# Altium PCB Bran_Main_Assay_PCB_v2_20170728.pcbdoc (part 3 of 4) (continued)
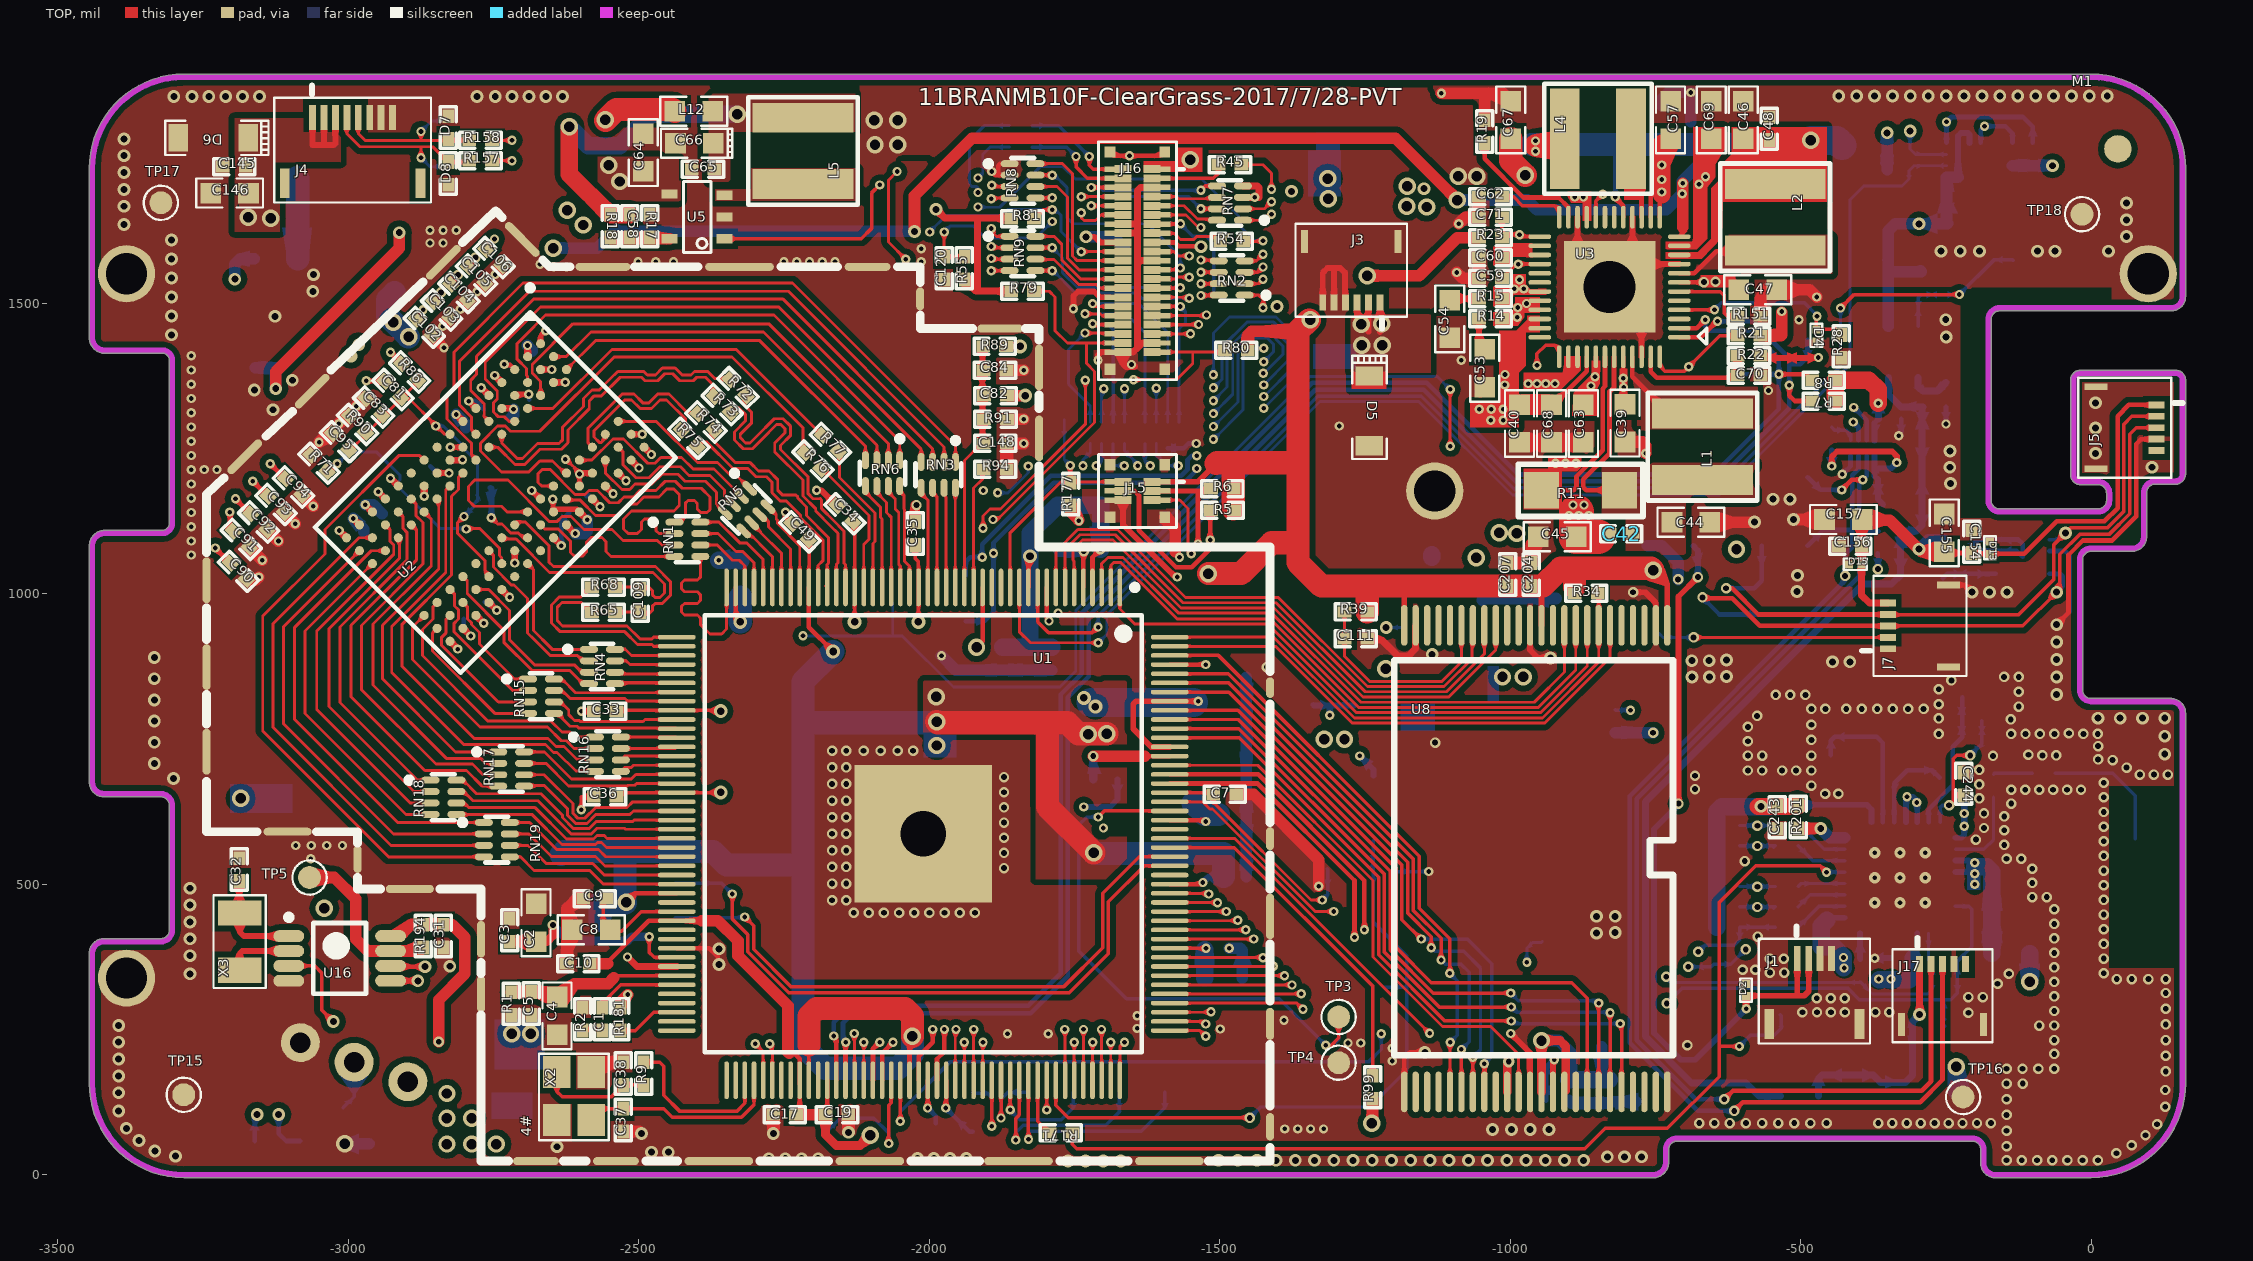
[diagram p0: TOP view]
## Nets (pads, with @x,y where several pads share a name; then routed paths per layer and width w, separated by ;. In a path a pad name is that pad's centre, name@x,y a point inside that pad or via, vN(x,y) a via of type N, cw(c..) or ccw(c..) an arc to the next point about the centre after c; other vN are vias at no path point) (continued)
N17556983: R194.1 TP5.1 U16.7 | length 290.8
  TOP w20: TP5.1@-3066.93,511.81 -3024.28,511.81 -2987.46,475 -2987.46,406 -2966.72,385.25 U16.7@-2927.42,385.25 -2877.53,385.25 R194.1@-2871.46,391.32
N17556994: C32.2 U16.1 X3.2 | length 175.5
  TOP w10: C32.2@-3188.02,505.77 -3188.02,451.67 X3.2@-3187.02,450.67 -3187.02,418.1 -3179.76,410.84 U16.1@-3102.61,410.84
N17557015: U16.2 X3.1 | length 115
  TOP w10: X3.1@-3187.02,352.24 -3187.02,381.1 -3182.87,385.25 U16.2@-3102.61,385.25
N17569799: C237.1 U19.4 | length 73.1
  BOTTOM w12: U19.4@-297.87,1372.32 -297.87,1357.41 -289.46,1349 -264.78,1349 C237.1@-249.46,1364.32
N17725418: R201.2 U7.24 | length 86.6
  TOP w20: R201.2@-504.46,596.31 -465.78,596.31 v3(-465.46,596)
  BOTTOM w20: v3(-465.46,596) -449.67,580.2 U7.24@-424.49,580.2
N17726905: C245.2 R155.2 R202.2 U7.31 | length 239.1
  BOTTOM w8: U7.31@-279.8,606.78 -279.8,628.93 -238.46,670.27 -238.46,736.69 -222.15,753 R155.2@-222.15,822
N17728099: R203.2 U7.16 | length 44.3
  BOTTOM w10: U7.16@-397.91,415.83 -397.91,372.13 R203.2@-397.46,371.69
N17734642: C248.2 C249.2 D19.1 J17.1 R198.1 | length 401
  TOP w12: v3(-295.46,276) -295.28,276.19 J17.1@-295.28,363.19
  BOTTOM w12: R198.1@-469.44,135.99 -469.44,165.52 -463.53,171.44 C249.2@-411.46,171.44 -374.7,171.44 C248.2@-363.94,160.68 -362.26,158.99 -319.94,158.99 -307.93,171.01 -307.93,263.54 v3(-295.46,276)
N17747477: R209.1 U20.5 | length 48.6
  BOTTOM w6: R209.1@-446.26,1286.89 R209.1@-446.46,1286.68 -441.78,1282 -421.46,1282 -413.46,1274 -414.13,1273.33 U20.5@-414.13,1264.19
N17800108: C251.2 L7.1 L19.1 U9.6
N17800564: D12.2 L7.2 U9.4
N17849143: C238.1 R213.2 U21.5 | length 93.8
  BOTTOM w8: R213.2@-255,1027 -247.53,1034.47 U21.5@-164.26,1034.47
N167142980: C53.1 R14.1 | length 56.5
  TOP w10: R14.1@-1053.7,1473.31 -1053.7,1430.49 C53.1@-1044.02,1420.81
NALE: U1.7 U8.17 | length 985.4
  TOP w5: U1.7@-1766.34,1011.13 -1766.34,1075.98 -1740.58,1101.74 -1680.05,1101.74 -1563.13,984.83 -1402.99,984.83 -1249.66,831.5 -1109.62,831.5 -1044.61,896.51 U8.17@-1044.61,945.83
NCE0-N: U1.2 U8.9 | length 1047
  TOP w5: U1.2@-1687.6,1011.13 -1687.6,1048.83 -1682.6,1053.83 -1670.32,1053.83 -1573.32,956.83 -1413.17,956.83 -1260.85,804.5 -951.77,804.5 -887.13,869.15 U8.9@-887.13,945.83
NCE1-N: U1.3 U8.10 | length 1047
  TOP w5: U1.3@-1703.34,1011.13 -1703.34,1051.83 -1692.34,1062.83 -1666.59,1062.83 -1570.59,966.83 -1410.45,966.83 -1257.12,813.5 -958.62,813.5 -906.81,865.31 U8.10@-906.81,945.83
NCLE: U1.6 U8.16 | length 988.6
  TOP w5: U1.6@-1750.59,1011.13 -1750.59,1055.94 -1752.65,1058 -1752.65,1076.6 -1736.5,1092.74 -1683.78,1092.74 -1566.86,975.83 -1406.72,975.83 -1253.39,822.5 -1105.89,822.5 -1024.92,903.47 U8.16@-1024.92,945.83
ND0: U1.174 U8.29 | length 1010.8
  TOP w6: U1.174@-1586.22,894.01 -1502.19,894.01 -1156.52,548.33 -1156.52,458.89 -1104.02,406.39 v1(-1104.02,346.83) ; U8.29@-1103.66,142.68 v1@-1103.66,228
  BOTTOM w6: v1(-1104.02,346.83) -1091.02,333.83 -1091.02,240.45 v1(-1103.46,228)
ND1: U1.172 U8.30 | length 1013.5
  TOP w6: U1.172@-1586.22,862.51 -1485.69,862.51 -1166.52,543.33 -1166.52,454.74 -1119.02,407.24 v1(-1119.02,369.83) ; U8.30@-1083.98,142.68 v1@-1083.98,215.8 ; v1(-1084.02,215.83) v1@-1083.98,215.8
  BOTTOM w6: v1(-1119.02,369.83) -1112.02,362.83 -1085.02,362.83 -1070.86,348.67 -1070.86,228.99 v1(-1084.02,215.83)
ND2: U1.171 U8.31 | length 1019.8
  TOP w6: U1.171@-1586.22,846.76 -1484.94,846.76 -1176.52,538.33 -1176.52,450.6 -1136.02,410.1 v1(-1136.02,390.83) ; U8.31@-1064.29,142.68 v1(-1064.29,202.11)
  BOTTOM w6: v1(-1136.02,390.83) -1130.02,384.83 -1080.02,384.83 -1051.18,355.99 -1051.18,215.23 v1(-1064.29,202.11)
ND3: U1.170 U8.32 | length 1031.6
  TOP w6: U1.170@-1586.22,831.01 -1484.19,831.01 -1186.52,533.33 -1186.52,439.33 v1(-1153.02,405.83) ; U8.32@-1046.02,144.09 U8.32@-1044.61,142.68 v1(-1044.61,191.43)
  BOTTOM w6: v1(-1153.02,405.83) -1074.02,405.83 -1031.49,363.3 -1031.49,204.55 v1(-1044.61,191.43)
ND4: U1.168 U8.41 | length 1165.1
  TOP w6: U1.168@-1586.22,799.52 -1468.7,799.52 -1196.52,527.33 -1196.52,391.2 -1136.15,330.83 -894.28,330.83 -867.44,304 U8.41@-867.44,142.68
ND5: U1.167 U8.42 | length 1172.8
  TOP w6: U1.167@-1586.22,783.77 -1467.95,783.77 -1206.52,522.33 -1206.52,387.05 -1132.3,312.83 v1(-999.02,312.83) ; U8.42@-847.76,142.68 v1(-847.76,295.57)
  BOTTOM w6: v1(-999.02,312.83) -985.86,299.67 -851.86,299.67 v1(-847.76,295.57)
ND6: U1.166 U8.43 | length 1177.4
  TOP w6: U1.166@-1586.22,768.02 -1467.2,768.02 -1216.52,517.33 -1216.52,382.91 -1122.44,288.83 v1(-998.02,288.83) ; U8.43@-828.07,142.68 -828.07,277.57 -829.28,278.78 v1(-828.07,278.78)
  BOTTOM w6: v1(-998.02,288.83) -989.18,279.99 -829.29,279.99 v1(-828.07,278.78)
ND7: U1.165 U8.44 | length 1177.1
  TOP w6: U1.165@-1586.22,752.27 -1466.45,752.27 -1226.52,512.33 -1226.52,378.77 -1112.58,264.83 v1(-998.02,264.83) ; v1(-810.49,260.3) -808.39,258.2 U8.44@-808.39,142.68 U8.44@-809.02,143.31
  BOTTOM w6: v1(-998.02,264.83) -993.49,260.3 v1(-810.49,260.3)
NDQS: U1.162 U8.35 | length 948.6
  TOP w5: U1.162@-1586.22,705.03 -1434.59,705.03 -1236.02,506.46 -1236.02,374.83 -1116.52,255.33 -1033.52,255.33 -985.55,207.37 U8.35@-985.55,142.68
NMI-N: R21.1 U1.158 U3.48 U16.3 | length 4071.2
  TOP w5: U1.158@-1586.22,642.04 -1529.28,642.04 -1517.14,629.9 -1512.37,629.9 -1335.78,453.31 v1(-1304.02,453.31)
  TOP w6: U16.3@-3102.61,359.66 -3058.13,359.66 -3045.46,347 -3045.46,283.28 v3(-3026.02,263.83) ; U3.48@-742.4,1408.23 -742.4,1391.69 -734.02,1383.31 -700.16,1383.31 v1(-692.46,1391) -639.25,1444.21 R21.1@-608.69,1444.21
  Singal w6: v3(-3026.02,263.83) -2840.2,263.83 -2730.19,153.83 -2036.47,153.83 -1982.46,207.83 -1643.45,207.83 -1627.97,223.31 -1396.95,223.31 -1334.95,285.31 -1334.95,422.37 v1(-1304.02,453.31) -1251.45,505.87 -1251.45,669.16 -949.2,971.41 -949.2,1319.74 -984.02,1354.55 -984.02,1393.31 -969.02,1408.31 -900.77,1408.31 -883.46,1391 v1(-692.46,1391)
NRB0-N: R34.2 U1.176 U8.7 | length 965.6
  TOP w5: U1.176@-1586.22,925.5 -1407.31,925.5 -1268.3,786.5 -944.32,786.5 -847.65,883.17 -847.65,945.72 U8.7@-847.76,945.83 -847.76,1009.72 -849.76,1011.73
NRB1-N: U1.175 U8.6 | length 915.3
  TOP w5: U1.175@-1586.22,909.75 -1404.28,909.75 -1272.03,777.5 -940.59,777.5 -828.07,890.02 U8.6@-828.07,945.83
NRE-N: U1.1 U8.8 | length 1018.7
  TOP w5: U1.1@-1671.85,1011.13 -1671.85,973.83 -1645.85,947.83 -1416.9,947.83 -1264.58,795.5 -948.04,795.5 -867.44,876.1 U8.8@-867.44,945.83
NWE-N: U1.8 U8.18 | length 983.5
  TOP w5: U1.8@-1782.08,1011.13 -1782.08,1072.97 -1744.31,1110.74 -1676.05,1110.74 -1559.13,993.83 -1399.26,993.83 -1245.94,840.5 -1113.85,840.5 -1065.47,888.88 -1065.47,944.65 U8.18@-1064.29,945.83
NWP-N: C111.2 R39.2 U8.19 | length 372.1
  TOP w5: R39.2@-1285.33,968.83 C111.2@-1285.33,922.83 -1285.33,892.62 -1242.21,849.5 -1117.58,849.5 -1083.98,883.1 U8.19@-1083.98,945.83
O_RESET: J7.2 R131.2 TP86.1 U1.108 | length 2373.7
  TOP w5: v2@-683.27,925.2 J7.2@-349.59,925.2
  TOP w6: v1@-2049.8,92.05 U1.108@-2049.8,162.71
  Singal w5: v1(-793.02,799.83) -793.02,816.45 v2(-684.46,925)
  Singal w6: v1(-1222.02,242.83) -1222.02,243.05 -1180.23,284.83 -1078.16,284.83 -1047.02,315.98 -1047.02,405.83 -793.02,659.83 v1(-793.02,799.83)
  BOTTOM w5: TP86.1@-744.09,932.17 -742.57,930.65 -736.92,925 v2(-684.46,925)
  BOTTOM w6: v1(-2049.94,91.99) -2049.94,108.52 -1963.46,195 -1243.02,195 -1222.02,216 v1(-1222.02,242.83) ; R131.2@-819.02,800.52 -818.33,799.83 v1(-793.02,799.83)
ODT: RN19.4 U2.K1 | length 1088.5
  TOP w5: U2.K1@-2869.55,1230.23 -2877.24,1237.92 -2913.43,1237.92 -3040.43,1110.92 -3040.43,1068.92 -3147.43,961.92 -3147.43,763.92 -2930.9,547.39 RN19.4@-2766.66,547.39
P_RX_UART1: J6.5 U1.152 | length 1072.8
  TOP w6: v1(-2317.45,443.83) -2302.3,428.68 -2302.3,387.99 -2237.61,323.31 -1769.02,323.31 -1701.65,390.68 -1701.65,484.55 -1638.65,547.55 U1.152@-1586.22,547.55
  BOTTOM w6: J6.5@-2437.01,442.91 -2318.37,442.91 v1(-2317.45,443.83)
P_TX_UART1: J6.6 U1.151 | length 1114.3
  TOP w6: v1(-2339.02,483.31) -2339.02,440.39 -2312.3,413.68 -2312.3,383.85 -2241.76,313.31 -1759.02,313.31 -1691.65,380.68 -1691.65,469.8 -1629.65,531.8 U1.151@-1586.22,531.8
  BOTTOM w6: J6.6@-2437.01,501.96 -2357.67,501.96 v1(-2339.02,483.31)
RAS: RN16.3 U2.J3 | length 774.7
  TOP w5: U2.J3@-2802.74,1207.95 -2810.62,1200.07 -2810.62,1179.73 -2822.43,1167.92 -2822.43,1032.77 -2907.43,947.77 -2907.43,875.07 -2783.28,750.92 -2656.34,750.92 -2642.58,737.16 -2628.82,737.16 -2607.58,715.92 -2577.3,715.92 RN16.3@-2575.57,714.2
RESET-N: C7.2 C71.2 R23.1 TP88.1 U1.159 U3.25 | length 1877.7
  TOP w5: -1527.45,657.79 -1513.88,657.79 C7.2@-1510.98,654.89 ; C7.2@-1511.13,654.74 -1511.13,638.9 -1508.64,638.9 -1342.75,473 v1(-1323.46,473)
  TOP w6: U1.159@-1586.22,657.79 -1527.45,657.79 ; C71.2@-1014.33,1648.31 R23.1@-1014.33,1613.31 -1009.33,1618.31 v1(-984.02,1618.31) -980.63,1614.92 U3.25@-949.09,1614.92
  Singal w6: v1(-1323.46,473) -1286.46,510 -1286.46,668 -966.46,988 -966.46,1295.54 -1044.02,1373.09 -1044.02,1588.31 -1014.02,1618.31 v1(-984.02,1618.31)
  BOTTOM w6: v1(-1323.46,473) -1314.45,482.02 -1314.45,526.15 TP88.1@-1314.96,526.66
RST: RN19.2 U2.T2 | length 775.6
  TOP w5: U2.T2@-2980.91,1074.33 -3111.43,943.81 -3111.43,775.92 -2922.27,586.76 RN19.2@-2766.66,586.76
RTCVDD: C31.2 C59.2 R21.2 R194.2 TP50.1 U3.28 U16.8 | length 4360.6
  TOP w6: C59.2@-1014.33,1543.31 -989.96,1567.68 v1(-985.94,1567.68) U3.28@-949.09,1567.68
  TOP w20: U16.8@-2927.42,410.84 -2913.62,410.84 -2893.78,430.69 R194.2@-2871.46,430.69 C31.2@-2836.46,430.69 -2821.15,430.69 -2799.46,409 -2799.46,346 -2844.46,301 v2(-2844.46,229) ; R21.2@-569.32,1444.21 -533.94,1444.21 ; -532.46,1445.69 v1@-532.46,1485
  Singal w20: v2(-2844.46,229) -2742.29,126.83 -2025.28,126.83 -1977.11,175 -1637.99,175 -1620.66,192.33 -1389.48,192.33 -1297.46,284.34 -1297.46,410.5 -1207.86,500.1 -1057.36,500.1 -876.46,681 -876.46,859 -710.46,1025 -710.46,1329 -641.46,1398 -641.46,1425.31 ; v1@-989.02,1568.31 -954.02,1568.31 -934.02,1548.31 -934.02,1443.31 -916.02,1425.31 -641.46,1425.31 ; v1@-532.46,1485 -532.46,1459 -566.16,1425.31 -641.46,1425.31
  BOTTOM w20: TP50.1@-763.78,1082.68 -739.24,1082.68 -711.02,1054.45 v2(-711.02,1024.83)
  other v1: -532.46,1486
SA0: RN17.5 U1.64 | length 305.8
  TOP w5: RN17.5@-2697.55,668.97 -2696.65,669.87 -2662.43,669.87 -2622.52,629.96 -2622.52,618.57 -2608.75,604.81 -2589.28,604.81 -2573.57,620.52 -2515.19,620.52 -2509.42,626.29 U1.64@-2434.64,626.29
SA1: RN15.7 U1.52 | length 219.2
  TOP w5: RN15.7@-2646.18,833.76 -2631.9,833.76 -2618.02,819.88 -2523.76,819.88 -2519.15,815.27 U1.52@-2434.64,815.27
SA2: RN18.7 U1.66 | length 414.5
  TOP w5: RN18.7@-2814.18,659.76 -2801.27,659.76 -2785.47,643.96 -2673.51,643.96 -2616.35,586.81 -2581.83,586.81 -2572.11,596.52 -2524.58,596.52 -2522.85,594.79 U1.66@-2434.64,594.79
SA3: RN18.8 U1.65 | length 422.7
  TOP w5: RN18.8@-2814.18,679.45 -2802.96,679.45 -2779.47,655.96 -2668.53,655.96 -2631.52,618.95 -2631.52,614.85 -2612.48,595.81 -2585.55,595.81 -2572.84,608.52 -2510.2,608.52 -2508.18,610.54 U1.65@-2434.64,610.54
SA4: RN15.8 U1.51 | length 233.2
  TOP w5: RN15.8@-2646.18,853.45 -2632.5,853.45 -2608.93,829.88 U1.51@-2446.05,829.88 ; U1.51@-2446.05,829.88 -2444.92,831.01 U1.51@-2434.64,831.01 U1.51@-2446.05,829.88
SA5: RN18.6 U1.67 | length 409.9
  TOP w5: RN18.6@-2814.18,640.08 -2800.43,640.08 -2792.31,631.96 -2678.49,631.96 -2624.33,577.81 -2578.1,577.81 -2571.98,583.92 -2559.53,583.92 -2554.66,579.05 U1.67@-2434.64,579.05
SA6: RN15.6 U1.54 | length 232
  TOP w5: RN15.6@-2646.18,814.08 -2634.59,814.08 -2620.69,800.18 -2620.69,792.03 -2610.82,782.16 -2602.37,782.16 -2600.24,780.03 -2493.39,780.03 -2489.65,783.77 U1.54@-2434.64,783.77
SA7: RN19.6 U1.71 | length 308.7
  TOP w5: RN19.6@-2722.18,567.08 -2690.59,567.08 -2659.43,535.92 -2579.45,535.92 -2559.58,516.05 U1.71@-2434.64,516.05
SA8: RN15.5 U1.55 | length 232
  TOP w5: U1.55@-2434.64,768.02 -2435.7,769.08 -2603.44,769.08 -2606.52,772.16 -2618.51,772.16 RN15.5@-2637.28,790.93 ; RN15.5@-2637.28,790.93 RN15.5@-2646.18,794.39 -2642.73,790.93 RN15.5@-2637.28,790.93
SA9: RN19.8 U1.69 | length 312
  TOP w5: RN19.8@-2722.18,606.45 -2687.96,606.45 -2641.31,559.81 -2570.64,559.81 -2570.53,559.92 -2569.49,559.92 -2557.12,547.55 U1.69@-2434.64,547.55
SA10: RN4.7 U1.48 | length 109.2
  TOP w5: RN4.7@-2541.18,884.76 -2521.93,884.76 -2515.43,878.26 U1.48@-2434.64,878.26
SA11: RN16.8 U1.56 | length 97
  TOP w5: RN16.8@-2531.09,753.57 -2435.94,753.57 U1.56@-2434.64,752.27
SA12: RN4.5 U1.50 | length 107.1
  TOP w6: RN4.5@-2541.18,845.39 -2539.82,846.76 U1.50@-2434.64,846.76
SA13: RN18.5 U1.68 | length 405.8
  TOP w5: RN18.5@-2814.18,620.39 -2813.76,619.96 -2683.47,619.96 -2632.31,568.81 -2574.37,568.81 -2571.26,571.92 -2564.51,571.92 -2555.89,563.3 U1.68@-2434.64,563.3
SA14: RN16.7 U1.57 | length 97.5
  TOP w5: RN16.7@-2531.09,733.88 -2437.29,733.88 U1.57@-2434.64,736.53
SBA0: RN17.6 U1.63 | length 315.5
  TOP w5: RN17.6@-2697.55,688.66 -2663.05,688.66 -2613.52,639.13 -2613.52,622.3 -2605.02,613.81 -2593.01,613.81 -2574.3,632.52 -2520.17,632.52 -2510.65,642.04 U1.63@-2434.64,642.04
SBA1: RN4.6 U1.49 | length 125.4
  TOP w5: RN4.6@-2541.18,865.08 -2538.03,861.92 U1.49@-2451.95,861.92 ; U1.49@-2451.95,861.92 -2451.36,862.51 U1.49@-2434.64,862.51 U1.49@-2451.95,861.92
SBA2: RN17.7 U1.61 | length 280.7
  TOP w5: RN17.7@-2697.55,708.34 -2659.83,708.34 -2620.99,669.5 -2519.53,669.5 -2518.46,670.57 -2506.94,670.57 -2503.98,673.53 U1.61@-2434.64,673.53
SCAS: RN16.5 U1.59 | length 100.8
  TOP w5: RN16.5@-2531.09,694.51 -2524.42,701.19 -2512.99,701.19 -2509.15,705.03 U1.59@-2434.64,705.03
SCK: R65.2 U1.45 | length 310.5
  TOP w5: R65.2@-2582.87,968.65 -2599.14,984.92 -2632.43,984.92 -2640.43,976.92 -2640.43,954.07 -2631.28,944.92 -2520.28,944.92 -2497.99,922.63 -2477.16,922.63 -2474.29,925.5 U1.45@-2434.64,925.5
SCK-N: R68.2 U1.46 | length 343.8
  TOP w5: R68.2@-2582.88,1011.65 -2599.61,994.92 -2636.58,994.92 -2650.43,981.07 -2650.43,949.92 -2635.43,934.92 -2524.43,934.92 -2502.14,912.63 -2477.16,912.63 -2474.28,909.75 U1.46@-2434.64,909.75
SCKE: RN4.8 U1.47 | length 110.9
  TOP w5: RN4.8@-2541.18,904.45 -2522.87,904.45 -2512.43,894.01 U1.47@-2434.64,894.01
SD_CLK_1: R171.2 TP43.1 U7.21 | length 1878.2
  TOP w6: R171.2@-1753.78,72 -1753.78,52.31 -1746.46,45 -871.46,45 -836.46,80 -729.46,80 -640.46,169 -640.46,221 ; v1(-605.46,221) -640.46,221 ; v1(-455.46,521) -466.46,532 -577.29,532 -640.46,468.83 -640.46,221
  BOTTOM w6: v1(-605.46,221) -586.46,240 -545.46,240 -533.46,252 -533.46,273.62 TP43.1@-535.43,275.59 ; v1(-455.46,521) -424.64,521 U7.21@-424.49,521.15
SD_CMD_1: R170.2 U7.20 | length 82
  BOTTOM w6: R170.2@-504.33,496.31 -499.17,501.46 U7.20@-424.49,501.46
SD_D0_1: R172.2 U7.22 | length 90.4
  BOTTOM w6: R172.2@-504.33,566.31 -478.86,540.83 U7.22@-424.49,540.83
SD_D1_1: R173.2 U7.23 | length 96.7
  BOTTOM w6: R173.2@-504.33,601.31 -500.35,601.31 -459.57,560.52 U7.23@-424.49,560.52
SD_D2_1: R168.2 U7.18 | length 94.7
  BOTTOM w6: R168.2@-504.33,426.31 -468.54,462.09 U7.18@-424.49,462.09
SD_D3_1: R169.2 U7.19 | length 88.3
  BOTTOM w6: R169.2@-504.33,461.31 -483.86,481.78 U7.19@-424.49,481.78
SDQ0: RN3.5 U1.22 | length 176.6
  TOP w5: RN3.5@-2013.96,1182.66 -2013.96,1173.01 -2002.08,1161.13 -2002.08,1144.55 -2002.56,1144.07 U1.22@-2002.56,1011.13
SDQ1: RN1.8 U1.40 | length 182.8
  TOP w5: RN1.8@-2394.18,1123.45 -2361.96,1123.45 -2326.43,1087.92 -2314.87,1087.92 -2286.02,1059.07 U1.40@-2286.02,1011.13
SDQ2: RN3.6 U1.21 | length 174.5
  TOP w5: RN3.6@-1994.27,1182.66 -1994.27,1174.54 -1987.08,1167.35 -1987.08,1160.01 U1.21@-1986.81,1011.13
SDQ3: RN1.7 U1.41 | length 155.7
  TOP w5: RN1.7@-2394.18,1103.76 -2363.49,1103.76 -2332.64,1072.91 -2321.08,1072.91 -2301.77,1053.6 U1.41@-2301.77,1011.13
SDQ4: RN3.8 U1.19 | length 171.5
  TOP w5: U1.19@-1955.31,1011.13 -1955.31,1160.61 RN3.8@-1954.9,1182.66
SDQ5: RN1.5 U1.44 | length 349.6
  TOP w5: RN1.5@-2394.18,1064.39 -2394.19,1028.68 -2399.19,1023.68 -2421.43,1023.68 -2426.43,1018.68 -2426.43,1008.68 -2421.43,1003.68 -2399.19,1003.68 -2394.19,998.68 -2394.19,988.68 -2399.19,983.68 -2421.43,983.68 -2426.43,978.68 -2426.43,968.68 -2421.43,963.68 -2399.19,963.68 -2394.19,958.68 -2394.19,947.68 -2377.43,930.92 -2357.43,930.92 -2349.01,939.34 U1.44@-2349.01,1011.13
SDQ6: RN3.7 U1.20 | length 198.2
  TOP w5: U1.20@-1971.06,1011.13 -1971.06,1064.18 -1971.43,1064.55 -1971.06,1085.66 -1971.06,1166.27 -1972.08,1167.29 ; RN3.7@-1974.59,1182.66 RN3.7@-1972.08,1173.57 ; RN3.7@-1974.59,1182.66 RN3.7@-1973.3,1174.8 ; RN3.7@-1974.59,1182.66 -1974.59,1176.08 RN3.7@-1973.3,1174.8 ; RN3.7@-1973.3,1174.8 RN3.7@-1972.08,1173.57 ; RN3.7@-1973.3,1174.8 -1972.08,1167.29 ; -1972.08,1167.29 RN3.7@-1972.08,1173.57
SDQ7: RN1.6 U1.42 | length 128.6
  TOP w5: RN1.6@-2394.18,1084.08 -2365.03,1084.08 -2338.86,1057.91 -2327.3,1057.91 -2317.52,1048.13 U1.42@-2317.52,1011.13
SDQ8: RN5.7 U1.37 | length 148.7
  TOP w5: RN5.7@-2291.74,1136.15 -2288.71,1136.15 -2276.48,1123.92 -2276.48,1114.96 -2238.78,1077.26 U1.37@-2238.78,1011.13
SDQ9: RN6.7 U1.25 | length 183.2
  TOP w5: RN6.7@-2070.6,1185.67 -2070.59,1175.47 -2058.7,1163.58 -2058.7,1146.13 -2052.6,1140.03 -2052.6,1050.87 -2049.8,1048.07 U1.25@-2049.8,1011.13
SDQ10: RN5.5 U1.39 | length 120.8
  TOP w5: RN5.5@-2319.58,1108.31 -2314.04,1108.31 -2270.27,1064.54 U1.39@-2270.27,1011.13
SDQ11: RN6.8 U1.24 | length 181.5
  TOP w5: RN6.8@-2050.91,1185.67 -2050.9,1177 -2043.7,1169.8 -2043.7,1146.34 -2042.6,1145.24 -2042.6,1056.09 -2034.05,1047.54 U1.24@-2034.05,1011.13
SDQ12: RN5.8 U1.36 | length 161.6
  TOP w5: RN5.8@-2277.81,1150.07 -2263.43,1135.67 -2263.43,1129.05 -2261.48,1127.1 -2261.48,1121.18 -2223.03,1082.73 U1.36@-2223.03,1011.13
SDQ13: RN6.6 U1.26 | length 184.8
  TOP w5: RN6.6@-2090.28,1185.67 -2090.27,1173.93 -2073.7,1157.36 -2073.7,1139.91 -2065.55,1131.76 U1.26@-2065.55,1011.13
SDQ14: RN5.6 U1.38 | length 132.3
  TOP w5: RN5.6@-2305.65,1122.23 -2290.34,1106.92 -2290.34,1105.83 -2254.52,1070.01 U1.38@-2254.52,1011.13
SDQ15: RN6.5 U1.27 | length 186.4
  TOP w5: RN6.5@-2109.97,1185.67 -2109.96,1175.1 -2083.7,1148.84 -2083.7,1131.49 -2081.3,1129.09 U1.27@-2081.3,1011.13
SDQM0: R76.1 U1.29 | length 241.2
  TOP w5: R76.1@-2184.84,1213.33 -2182.04,1213.33 -2103.71,1135 -2103.71,1094.1 -2112.79,1085.02 U1.29@-2112.79,1011.13
SDQM1: R77.1 U1.28 | length 258.9
  TOP w5: R77.1@-2154.84,1243.33 -2154.84,1200.29 -2093.71,1139.16 -2093.71,1089.95 -2097.04,1086.62 U1.28@-2097.04,1011.13
SDQS0: R72.1 U1.31 | length 535.6
  TOP w5: R72.1@-2313.84,1339.33 -2317.35,1335.82 -2317.35,1324.17 -2306.39,1313.2 -2306.39,1293.77 -2325.43,1274.73 -2325.43,1269.07 -2316.27,1259.91 -2308.51,1259.91 -2299.36,1269.06 -2266.98,1301.45 -2251.64,1301.45 -2238.65,1288.46 -2238.65,1273.12 -2256.1,1255.67 -2256.1,1248.59 -2208.52,1201.01 -2208.52,1172.3 -2200.02,1163.81 -2188.01,1163.81 -2187.79,1164.02 -2185.43,1161.66 -2185.43,1146.64 -2184.43,1145.64 -2164.88,1126.08 -2147.16,1108.37 -2147.16,1053.65 -2144.29,1050.78 U1.31@-2144.29,1011.13
SDQS0-N: R73.1 U1.32 | length 524.9
  TOP w5: R73.1@-2340.84,1310.33 -2331.15,1320.02 -2327.34,1320.02 -2316.39,1309.06 -2316.39,1297.92 -2335.43,1278.88 -2335.43,1264.92 -2320.42,1249.91 -2304.36,1249.91 -2289.36,1264.91 -2262.83,1291.45 -2255.79,1291.45 -2248.65,1284.31 -2248.65,1277.27 -2266.1,1259.82 -2266.1,1244.44 -2217.52,1195.86 -2217.52,1168.57 -2195.43,1146.49 -2195.43,1142.49 -2194.43,1141.48 -2169.02,1116.08 -2157.16,1104.22 -2157.16,1053.65 -2160.04,1050.77 U1.32@-2160.04,1011.13
SDQS1: R74.1 U1.33 | length 398.6
  TOP w5: R74.1@-2368.84,1280.33 -2374.43,1274.74 -2374.43,1266.48 -2333.79,1225.84 -2308.35,1225.84 -2294.12,1211.61 -2276.12,1211.61 -2260.92,1196.41 -2260.92,1178.41 -2252.43,1169.92 -2229.28,1169.92 -2226.52,1167.16 -2226.52,1164.85 -2211.43,1149.76 -2211.43,1134.86 -2173.32,1096.75 -2173.32,1052.88 -2175.78,1050.42 U1.33@-2175.78,1011.13 U1.33@-2178.43,1013.78
SDQS1-N: R75.1 U1.34 | length 387.3
  TOP w5: R75.1@-2397.84,1252.33 -2397.84,1253.51 -2389.43,1261.92 -2384.02,1261.92 -2337.94,1215.84 -2312.5,1215.84 -2298.27,1201.61 -2280.27,1201.61 -2270.92,1192.26 -2270.92,1174.26 -2256.58,1159.92 -2246.23,1159.92 -2221.43,1135.12 -2221.43,1130.71 -2183.32,1092.6 -2183.32,1057.03 -2191.53,1048.82 U1.34@-2191.53,1011.13
SODT: RN19.5 U1.72 | length 307
  TOP w5: RN19.5@-2722.18,547.39 -2703.9,547.39 -2680.43,523.92 -2584.43,523.92 -2560.82,500.31 U1.72@-2434.64,500.31
SRAS: RN16.6 U1.58 | length 99.2
  TOP w5: RN16.6@-2531.09,714.2 -2524.52,720.78 U1.58@-2434.64,720.78
SRST: RN19.7 U1.70 | length 310.3
  TOP w5: RN19.7@-2722.18,586.76 -2689.43,586.76 -2650.59,547.92 -2574.47,547.92 -2558.35,531.8 U1.70@-2434.64,531.8
SVREF: C82.2 C84.1 C148.2 R89.1 R91.2 U1.18 | length 584.8
  TOP w5: U1.18@-1939.56,1011.13 -1939.56,1229.8 C148.2@-1910.44,1258.92 ; C84.1@-1909.04,1385.04 C82.2@-1909.02,1342.31 ; C148.2@-1908.53,1259.23 C148.2@-1910.44,1258.92 ; C148.2@-1908.48,1259.24 C148.2@-1908.1,1259.3 ; C148.2@-1910.44,1258.92 -1908.48,1258.92 C148.2@-1908.1,1259.3 ; C82.2@-1909.02,1342.31 C82.2@-1908.48,1341.77 ; C82.2@-1909.02,1342.31 C82.2@-1908.48,1341.77 ; C82.2@-1908.48,1341.77 C82.2@-1908.1,1341.38 ; C82.2@-1908.48,1341.77 C82.2@-1908.1,1341.38 ; C148.2@-1908.1,1259.3 -1908.1,1300.88 C82.2@-1908.1,1341.38
  TOP w6: R89.1@-1909.55,1426.27 -1909.02,1425.74 -1908.48,1403.51
  TOP w8.92: C82.2@-1909.02,1342.31 C82.2@-1908.48,1341.38
  TOP w9.22: R91.2@-1908.48,1300.89 R91.2@-1908.1,1300.88
  TOP w10: R89.1@-1909.55,1426.27 -1909.02,1425.74 -1908.48,1425.2 -1908.48,1403.51 -1909.04,1385.12 C84.1@-1909.04,1385.05 ; C84.1@-1909.04,1385.02 -1908.48,1341.77 C82.2@-1908.48,1341.38 ; C148.2@-1908.48,1258.92 -1908.48,1259.24 -1908.48,1300.89 C82.2@-1908.48,1341.38 ; C82.2@-1908.1,1341.38 C82.2@-1908.48,1341.38
SWE: RN17.8 U1.60 | length 285.4
  TOP w5: RN17.8@-2697.55,728.03 -2662.43,727.92 -2616.01,681.5 -2512.99,681.5 -2505.21,689.28 U1.60@-2434.64,689.28
SZQ: R94.2 U1.17 | length 210.1
  TOP w5: U1.17@-1923.82,1011.13 -1923.82,1182.05 -1908.48,1197.39 R94.2@-1908.48,1214.92
TP-INT: J15.2 R177.1 TP30.1 U1.13 | length 432.3
  TOP w5: U1.13@-1860.82,1011.13 -1860.82,1105.33 -1773.24,1192.91 R177.1@-1757.46,1192.91 ; v1(-1757.46,1221) R177.1@-1757.46,1192.91 ; J15.2@-1689.96,1192.91 R177.1@-1757.46,1192.91 ; J15.2@-1687.1,1192.91 J15.2@-1666.73,1192.91
  BOTTOM w5: TP30.1@-1767.72,1299.21 -1767.72,1231.25 v1(-1757.46,1221)
TS: J2.2 R178.2 U3.37 | length 3310
  TOP w6: v1(-954.02,1393.31) -954.02,1413.31 -939.02,1428.31 -924.02,1428.31 -915.63,1419.92 U3.37@-915.63,1408.23
  Singal w6: J2.2@-2990.16,193.82 -2930.15,253.83 -2844.34,253.83 -2734.34,143.83 -2032.33,143.83 -1978.32,197.83 -1639.3,197.83 -1623.83,213.31 -1392.54,213.31 -1324.95,280.9 -1324.95,411.16 -1241.45,494.66 -1241.45,665.02 -939.2,967.26 -939.2,1259.74 -885.46,1313.47 -885.46,1375 -903.77,1393.31 v1(-954.02,1393.31)
  BOTTOM w6: R178.2@-3008.51,115.84 -2990.16,134.19 J2.2@-2990.16,193.82
TWI0-SCK: R8.2 TP7.1 U1.101 U3.2 | length 3056.3
  TOP w8: v1(-2164.45,238.83) -2160.04,234.42 U1.101@-2160.04,162.71 ; U3.2@-708.94,1457.44 -678.83,1457.44 v1(-664.45,1471.83) ; v1(-537.46,1378) -490.15,1378 R8.2@-480.15,1368
  BOTTOM w8: v1(-2164.45,238.83) -2164.45,262.87 -2136.5,290.83 -1829.45,290.83 -1773.45,346.83 -1773.45,826.8 -1737.45,862.8 -1737.45,966.89 -1340.84,1363.5 -1143.84,1363.5 -985.97,1205.64 -650.12,1205.64 -537.46,1318.29 v1(-537.46,1378) ; v1(-664.45,1471.83) -664.45,1459.98 -657.46,1453 -585.46,1453 -537.46,1405 v1(-537.46,1378) ; TP7.1@-594.49,1377.95 -594.44,1378 v1(-537.46,1378)
TWI0-SDA: R7.2 TP6.1 U1.102 U3.1 | length 3082.6
  TOP w5: v1@-2144.29,228.03 v1(-2144.02,228.31)
  TOP w8: U1.102@-2144.29,162.71 v1@-2144.29,228.03 ; U3.1@-708.94,1441.69 -671.96,1441.69 -644.48,1469.17 v1(-643.16,1469.17) ; v1(-519.46,1359) -519.46,1341 -510.46,1332 R7.2@-480.15,1332 R7.2@-479.15,1332
  BOTTOM w8: v1(-2144.02,228.31) -2148.45,232.74 -2148.45,261.49 -2132.13,277.81 -1825.5,277.81 -1761.45,341.86 -1761.45,821.83 -1725.45,857.83 -1725.45,961.92 -1335.87,1351.5 -1148.81,1351.5 -990.94,1193.64 -645.15,1193.64 -519.46,1319.32 v1(-519.46,1359) -519.46,1395 ; v1(-643.16,1469.17) -582.63,1469.17 -519.46,1406 -519.46,1395 ; TP6.1@-488.19,1437.01 -488.19,1407.28 -500.46,1395 -519.46,1395
TWI1-SCK: J15.3 R6.2 TP28.1 U1.105 U16.6 | length 2972.4
  TOP w8: U16.6@-2927.25,359.83 U16.6@-2927.42,359.66 -2926.04,358.28 v3(-2868.18,358.28) ; U1.105@-2097.04,162.71 -2097.04,216.72 v1(-2085.45,228.31) ; J15.3@-1616.73,1177.17 J15.3@-1593.5,1177.17 -1518.71,1177.17 R6.2@-1515.13,1180.74 ; v1(-1537.45,1085.83) -1537.45,1176.17
  Singal w8: v3(-2868.18,358.28) -2710.73,200.83 -2106.45,200.83 -2085.45,221.83 v1(-2085.45,228.31) -2085.45,278.83 -2052.45,311.83 -1909.46,311.83 -1853.02,368.28 -1853.02,855.55 -1878.45,880.98 -1878.45,1032.74 v1(-1909.02,1063.31) ; v1(-1539.45,1237.83) -1523.45,1237.83 -1499.45,1213.83 -1499.45,1081.83 -1506.45,1074.83 -1526.45,1074.83 v1(-1537.45,1085.83)
  BOTTOM w8: TP28.1@-1937.01,1031.5 -1937.01,1055.46 -1929.16,1063.31 v1(-1909.02,1063.31) -1909.02,1085.42 -1790.85,1203.58 -1566.06,1203.58 -1555.45,1214.2 -1555.45,1230.83 -1548.45,1237.83 v1(-1539.45,1237.83)
TWI1-SDA: J15.4 R5.2 TP29.1 U1.106 U16.5 | length 3120.9
  TOP w5: J15.4@-1689.96,1177.17 J15.4@-1666.73,1177.17
  TOP w8: U16.5@-2925.89,335.59 U16.5@-2927.42,334.07 -2927.35,334 v3(-2880.46,334) ; U1.106@-2081.3,162.71 -2081.3,209.46 v1(-2062.45,228.31) ; J15.4@-1666.73,1177.17 -1646.36,1177.17 -1639.1,1169.91 -1639.1,1109.8 -1575.3,1045.99 -1548.07,1045.99 -1516.45,1077.61 v1(-1516.45,1092.83) -1516.45,1146.43 R5.2@-1516.13,1146.74
  Singal w8: v3(-2880.46,334) -2860.87,334 -2715.7,188.83 -2096.45,188.83 -2062.45,222.83 v1(-2062.45,228.31) -2062.45,281.31 -2043.93,299.83 -1904.49,299.83 -1841.02,363.31 -1841.02,860.52 -1864.65,884.15 -1864.65,1045.02 v1(-1889.45,1069.83) ; v1(-1539.45,1215.83) -1522.45,1215.83 -1516.45,1209.83 v1(-1516.45,1092.83)
  BOTTOM w8: TP29.1@-1937.01,952.76 -1905.71,952.76 -1889.45,969.02 v1(-1889.45,1069.83) -1889.45,1088.02 -1785.88,1191.58 -1561.09,1191.58 -1539.45,1213.23 v1(-1539.45,1215.83)
TWI2-SCK: J5.3 J7.3 R4.2 TP35.1 U1.161 U10.1 U20.7 U21.4 | length 3970.7
  TOP w6: J7.3@-349.59,944.89 -117.41,944.89 v3(-59.3,1003) -54,1008.3 -54,1068 -19,1103 31.68,1103 66.54,1137.86 66.54,1275 77.54,1286 J5.3@112.7,1286
  TOP w8: U1.161@-1586.22,689.28 -1433.69,689.28 -1251.02,506.61 v1(-1251.02,421.83) ; v2(-669.02,993.83) -667.52,992.33 -617.63,992.33 -570.18,944.89 J7.3@-349.59,944.89
  Singal w8: v1(-1251.02,421.83) -1219.04,421.83 -1176.05,464.83 -1062.98,464.83 -852.02,675.79 -852.02,844.42 -731.44,965 -697.85,965 v2(-669.02,993.83) -656.35,1006.51 -656.35,1154.12 -529.64,1280.83 -448.64,1280.83 v1(-408.46,1321) -395.46,1334 -395.46,1666 v1(-248.98,1812.49)
  BOTTOM w8: v2(-669.02,993.83) -639.75,964.57 TP35.1@-566.93,964.57 ; v1(-408.46,1321) -386.57,1299.11 U20.7@-386.57,1264.19 ; U10.1@-248.98,1776.35 v1(-248.98,1812.49) -240.46,1821 -117.45,1821 -100.45,1804 R4.2@-100.45,1776.51 ; U21.4@-71.74,1034.47 -53.47,1034.47 -49,1030 -49,1013.3 v3(-59.3,1003)